# Altium PCB Archimajor.PcbDoc (part 5 of 12) (continued)
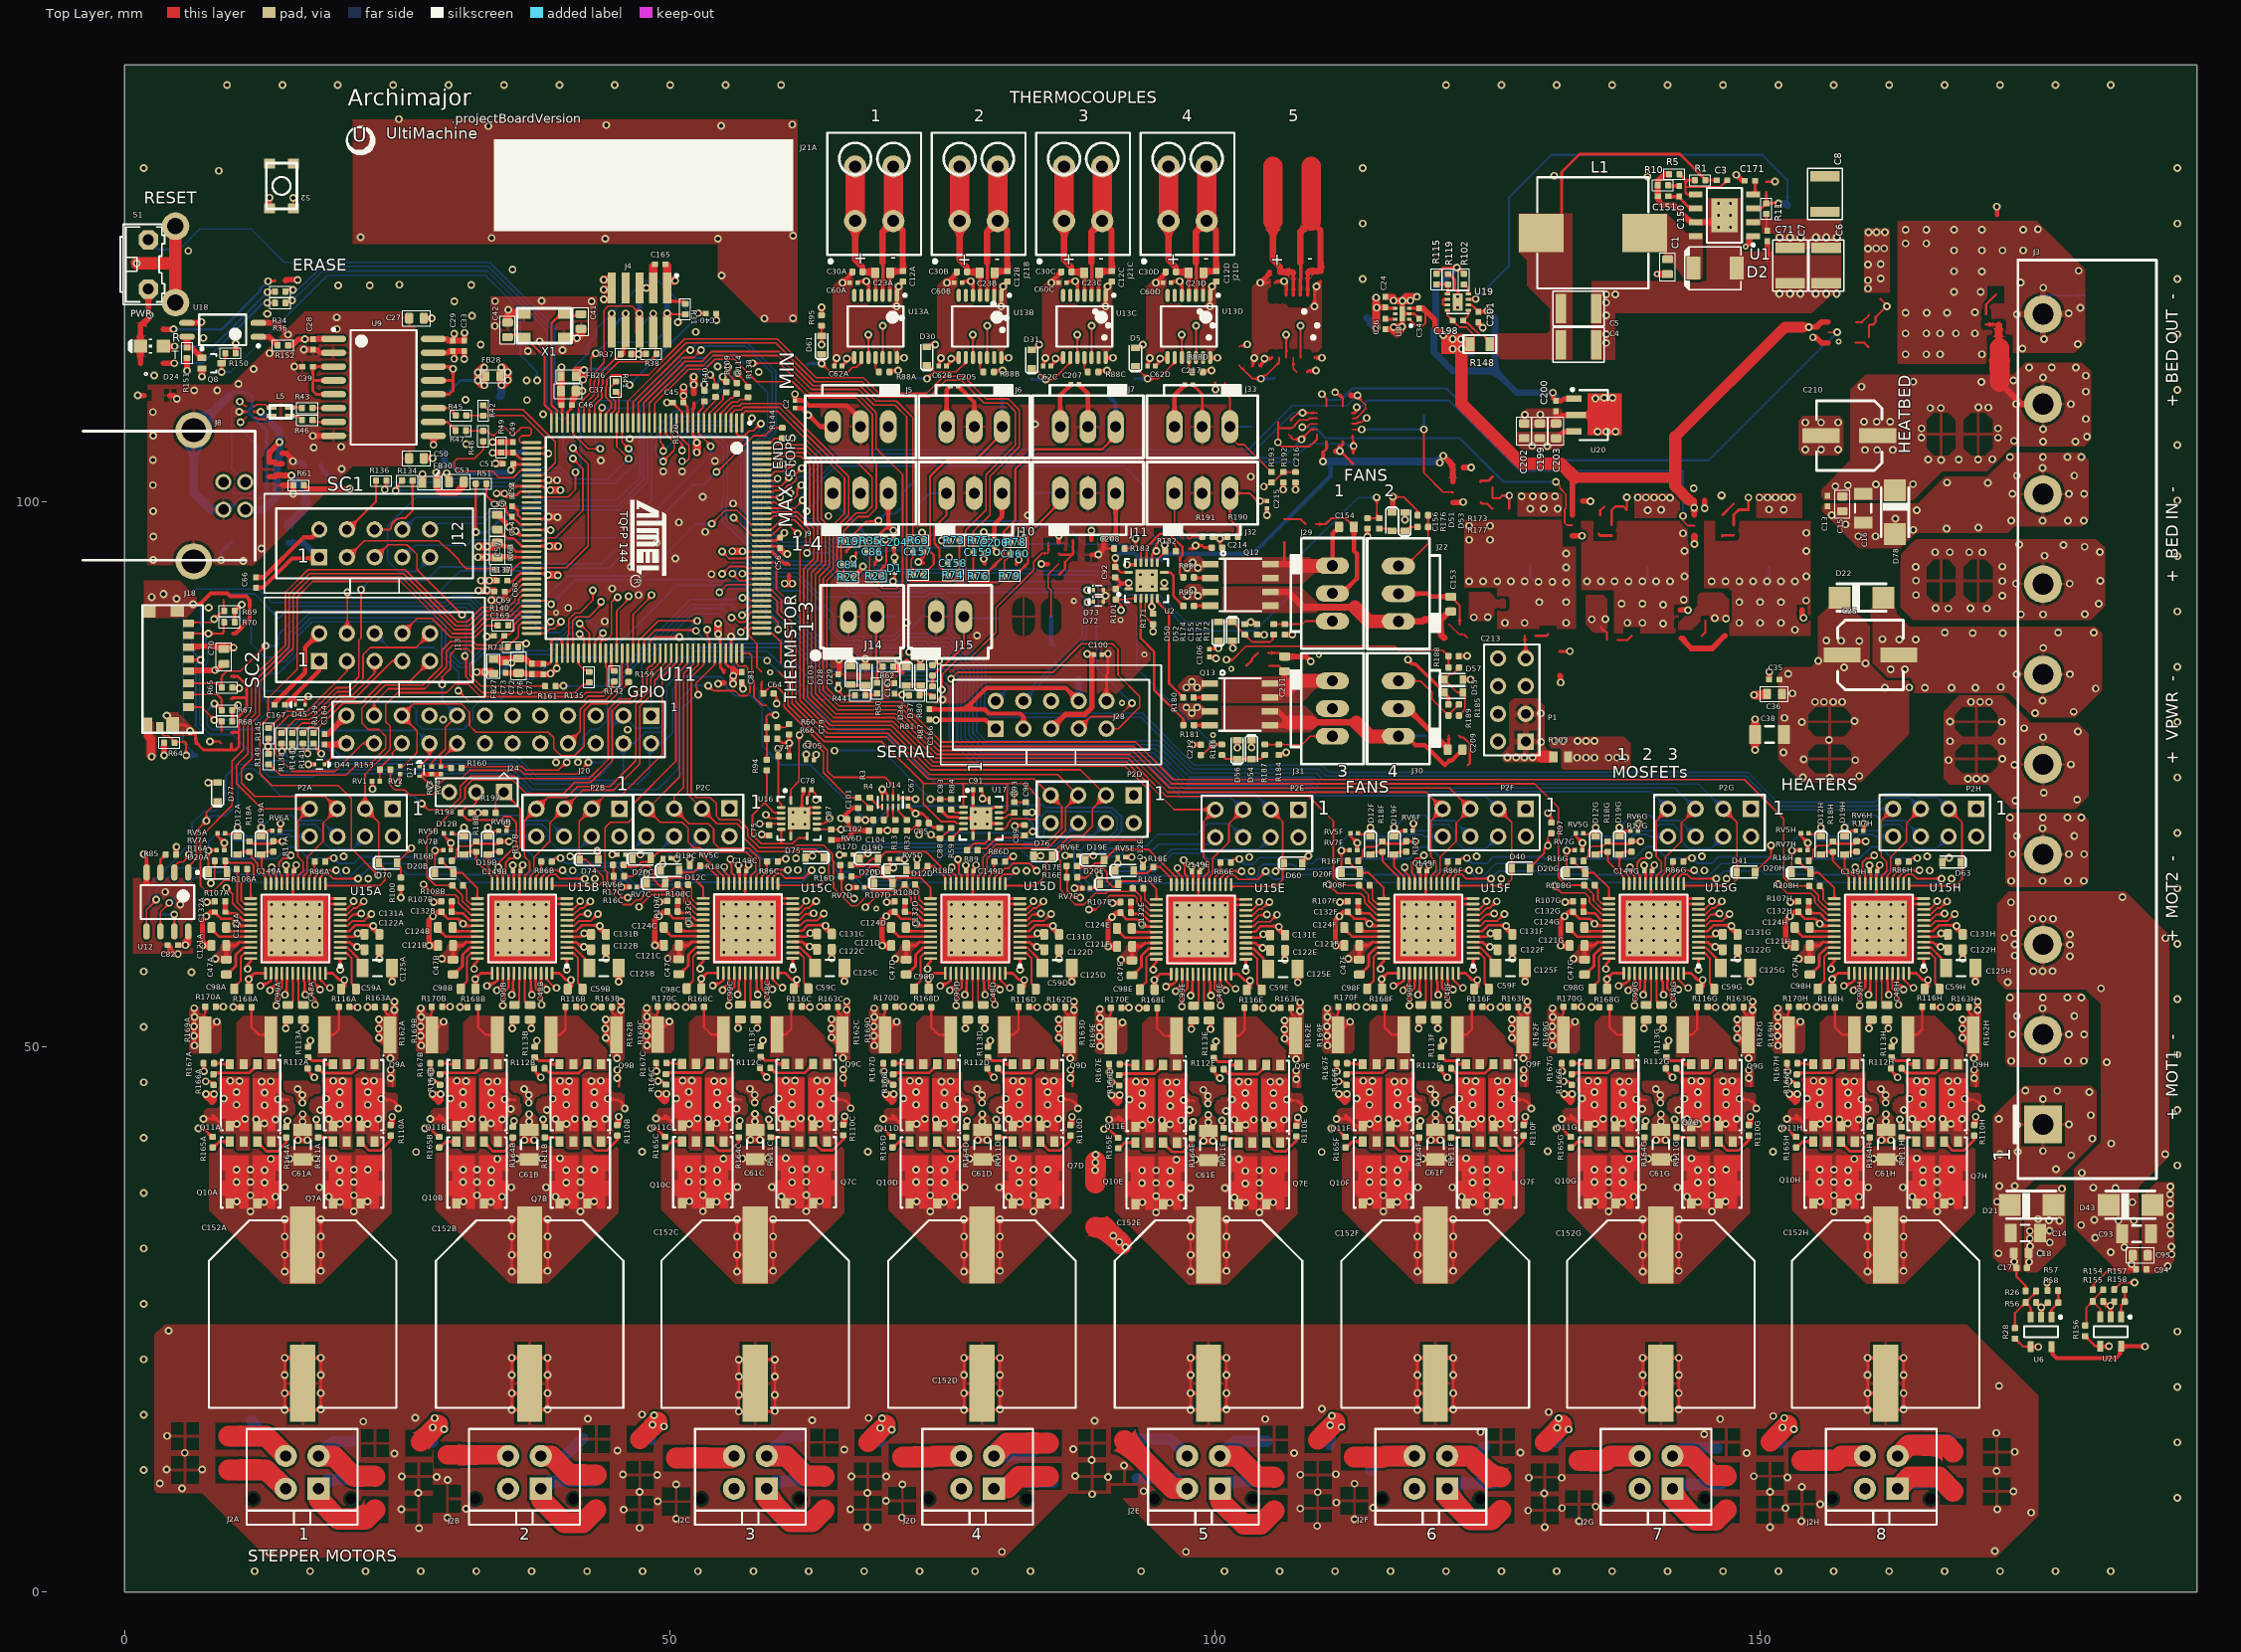
[diagram p0: Top Layer view]
## Nets (pads, with @x,y where several pads share a name; then routed paths per layer and width w, separated by ;. In a path a pad name is that pad's centre, name@x,y a point inside that pad or via, vN(x,y) a via of type N, cw(c..) or ccw(c..) an arc to the next point about the centre after c; other vN are vias at no path point) (continued)
  Top Layer w0.279: v1@35.865,97.308 35.878,97.308 36.298,96.888 ; v3@72.843,94.384 73.27,94.384
  Top Layer w0.292: v1(66.812,94.718) 66.812,94.831 67.064,95.084 67.064,95.305 67.068,95.309 ; C86.2@69.075,95.384 69.133,95.326 69.133,94.918 v3(69.191,94.861) ; C159.2@78.785,95.337 78.793,95.329 v3(78.793,94.734) 78.864,94.663 78.864,94.213 78.868,94.209 ; 81.743,94.159 81.747,94.163 81.747,94.3 81.993,94.546 v1(81.993,94.659) 82.073,94.74 82.073,95.102 82.177,95.206 C160.2@82.179,95.206
  Top Layer w0.305: v1(1.778,67.666) 1.778,67.556 2.032,67.301 U12.4@2.032,65.971 ; C54.2@35.629,99.607 36.093,99.143 ; v1@38.768,98.388 v1@38.892,98.512 ; v3@38.831,101.888 38.887,101.944 v3(38.887,101.956) ; v3(39.629,84.686) v3@39.629,84.753 ; 40.922,108.469 40.922,108.728 C46.2@41.046,108.852 ; RV5C.2@50.073,67.276 50.123,67.226 v1(50.648,67.226) ; v3(55.625,87.6) 55.735,87.6 v3@55.629,87.494 ; C56.2@59.968,96.678 C56.2@60.124,96.678 ; C92.1@90.843,93.034 90.868,93.034 90.995,92.907 90.995,92.882 91.389,92.488 91.399,92.488 ; R101.2@90.875,91.964 91.399,92.488 ; v1(91.928,94.2) U2.13@92.686,94.2 ; v1@92.068,92.488 91.399,92.488 ; v1(182.085,26.262) 182.095,26.252 182.095,25.231 U21.2@182.105,25.221
  Top Layer w0.356: C105.1@62.493,76.259 v1@62.493,76.759
  Top Layer w0.381: C84.2@66.812,94.349 v1(66.812,94.718)
  Top Layer w0.406: C66.1@12.04,93.046 12.769,93.046 16.408,96.686 17.221,96.686 J12.2@17.856,97.321 ; C167.1@13.75,81.486 16.577,84.313 16.577,86.618 J13.2@17.856,87.897 ; 27.35,74.96 27.376,74.986 RV3.2@28.172,74.986 RV4.2@28.997,74.986 ; J24.3@29.77,73.34 J24.3@29.77,73.352 ; C57.1@34.177,94.882 34.235,94.941 35.408,94.933 C63.2@35.433,94.933 ; v1(44.713,67.619) RV6C.2@45.213,67.619 ; C165.1@48.489,121.58 C165.1@48.65,121.741 ; v1(56.7,82.81) 56.7,83.07 v1@56.726,83.097 ; v1(58.419,69.463) 58.523,69.359 C75.2@59.118,69.359 ; v1(61.478,109.835) 61.478,109.259 C2.1@61.471,109.252 62.289,109.252 62.741,108.801 66.226,108.801 67.488,107.539 J5.2@67.488,106.846 ; C87.2@64.793,68.959 66.099,68.959 66.871,69.731 66.871,69.809 ; v1(65.555,67.595) RV6D.2@66.055,67.595 ; v1(65.842,120.052) 66.657,120.867 66.657,120.961 C30A.1@66.733,121.038 ; C101.1@67.268,71.88 66.73,71.88 65.71,70.86 66.268,70.86 C102.1@66.268,70.834 66.341,70.762 66.341,70.339 66.871,69.809 ; C104.1@68.268,69.809 66.871,69.809 ; 70.557,95.481 C204.1@70.557,95.881 ; RV5D.2@70.96,67.17 v1(71.523,67.17) ; C166.2@73.794,79.978 78.928,79.978 79.203,79.703 79.33,79.703 J28.1@79.877,79.156 ; v1(75.418,120.052) 76.233,120.867 76.233,120.961 C30B.1@76.309,121.038 ; C205.1@76.425,110.581 77.914,109.092 J6.2@77.914,106.846 ; C206.1@79.757,95.831 79.757,95.531 v1(79.957,95.331) ; v1(84.994,120.052) 85.052,120.111 85.052,120.205 85.783,120.936 85.808,120.936 85.885,121.012 C30C.1@85.885,121.038 ; v1(86.263,67.519) RV6E.2@86.763,67.519 ; C207.1@87.5,110.731 88.341,109.89 J7.2@88.341,106.846 ; 88.632,95.106 89.271,95.106 v1(89.3,95.135) 89.768,95.603 C208.1@89.768,96.61 ; RV5E.2@91.773,67.376 v1(92.348,67.376) ; v1(94.57,120.052) 95.384,120.867 95.384,120.961 C30D.1@95.46,121.038 ; v1(104.145,120.052) 104.96,120.867 104.96,120.961 105.036,121.038 ; v1(107.368,101.084) C216.2@107.368,101.734 ; 131.217,107.886 131.346,107.758 131.659,107.758 131.808,107.906 U20.2@133.092,107.906 ; v1(147.766,129.948) 148.269,129.445 148.494,129.445 C171.1@148.541,129.398 ; C35.2@150.798,83.665 150.798,84.362 v1(150.809,84.373)
  Top Layer w0.432: C55.1@34.188,98.814 34.865,98.136 34.865,98.124 35.111,97.879 35.123,97.879 v1@35.204,97.798
  Top Layer w0.457: v1@56.591,83.021 C81.2@56.591,83.402 ; 116.837,115.36 117.152,115.675 117.152,116.01 U8.7@117.152,117.205 v1@117.152,118.39 ; R155.1@181.417,26.64 181.417,26.614 181.77,26.262 v1@181.874,26.262 ; v1@182.085,26.264 182.113,26.264 182.438,26.589 R158.1@182.438,26.614
  Top Layer w0.483: v1(7.162,59.275) 7.143,59.295 7.143,61.581 v1(7.515,61.953) 7.887,62.325 C132A.1@8.287,62.325 ; v1(27.937,59.275) 27.918,59.295 27.918,61.581 v1(28.29,61.953) 28.662,62.325 C132B.1@29.062,62.325 ; v1(48.645,59.3) 48.626,59.319 48.626,61.605 v1(48.998,61.978) 49.37,62.35 C132C.1@49.77,62.35 ; v1(69.487,59.275) 69.468,59.295 69.468,61.581 v1(69.84,61.953) 70.212,62.325 C132D.1@70.612,62.325 ; v1(90.195,59.2) 90.176,59.219 90.176,61.505 v1(90.548,61.878) 90.92,62.25 C132E.1@91.32,62.25 ; v1(111.037,59.275) 111.018,59.295 111.018,61.581 v1(111.39,61.953) 111.762,62.325 C132F.1@112.162,62.325 ; v1(131.688,59.275) 131.668,59.295 131.668,61.581 v1(132.04,61.953) 132.413,62.325 C132G.1@132.813,62.325 ; v1(152.338,59.275) 152.318,59.295 152.318,61.581 v1(152.691,61.953) 153.063,62.325 C132H.1@153.463,62.325
  Top Layer w0.508: 1.465,112.682 D24.C@1.465,114.231 1.465,115.781 1.465,116.064 2.306,116.905 v1(2.306,117.077) 2.184,117.199 S1.2@2.184,119.47 ; C82.2@3.981,59.316 C82.2@3.974,59.316 3.991,59.316 4.199,59.108 4.199,58.877 4.545,58.531 4.861,58.531 v1(4.9,58.492) ; U18.3@5.729,116.361 6.973,116.361 v1(7.053,116.441) ; J18.6@5.89,86.626 5.971,86.707 C70.1@9.277,86.707 ; v3(7.102,111.44) Q8.2@7.102,112.164 ; R61.1@16.464,101.48 16.802,101.142 v3(20.638,101.142) ; C164.2@18.339,78.67 18.661,78.67 J20.23@20.345,80.354 ; v1(22.809,61.075) 22.835,61.05 22.835,60.833 C131A.1@23.367,60.3 ; v1@23.367,58.053 C122A.1@23.367,58.9 ; v1(24.537,55.969) C125A.1@24.537,57.2 ; C27.2@27.452,116.803 27.477,116.828 27.529,116.776 v1(28.162,116.776) ; C50.2@27.604,103.798 C50.2@27.452,103.95 v1(28.27,103.95) ; U9.9@28.324,106.008 28.336,105.996 v1(28.336,105.191) ; U9.15@28.324,113.628 29.645,113.628 29.8,113.782 C33.2@31.175,113.782 31.159,113.767 v3(31.159,113.049) ; v1(29.54,102.591) 29.529,102.591 29.72,102.399 C53.1@29.72,102 ; C29.2@30.124,113.78 30.11,113.766 30.224,113.651 30.237,113.639 30.235,113.637 v1(30.235,113.076) ; v1(33.757,105.423) R49.1@34.521,105.423 ; v3(34.12,100.724) 34.843,100.724 v1(34.852,100.716) 34.883,100.716 35.077,100.521 C52.2@35.364,100.521 ; R49.1@34.544,105.446 C49.2@35.588,105.446 ; C73.2@34.9,84.269 36.772,84.269 36.879,84.163 C76.2@37.372,84.163 38.413,84.163 C77.2@38.415,84.161 v3@38.964,84.161 ; v1@35.204,97.626 35.56,97.27 35.598,97.308 v1@35.865,97.308 ; v3(39.065,84.214) 39.091,84.214 v3@39.419,84.542 ; v3(39.629,84.686) 39.485,84.542 v3@39.419,84.542 ; v3@39.629,84.753 v3@39.419,84.542 ; C46.2@41.021,108.878 C46.2@41.046,108.852 41.046,109.243 ; C37.1@41.267,109.622 41.046,109.401 41.046,109.243 ; C37.1@41.281,110.296 41.281,109.477 41.046,109.243 ; v1(43.584,61.075) 43.61,61.05 43.61,60.833 C131B.1@44.142,60.3 ; v1@44.142,58.053 C122B.1@44.142,58.9 ; v1(45.312,55.969) C125B.1@45.312,57.2 ; v1(45.558,64.634) RV7C.2@46.283,64.634 ; v1(49.745,109.068) C45.2@50.267,109.068 ; C56.2@60.124,96.678 60.493,97.047 v1(60.493,97.109) ; v1(64.292,61.099) 64.317,61.074 64.317,60.858 C131C.1@64.85,60.325 ; v1(64.851,58.077) C122C.1@64.85,58.925 ; C103.2@65.432,84.155 C103.2@65.444,84.144 ; C103.2@65.444,84.144 65.518,84.22 v1(65.518,85.509) ; v1(66.02,55.993) C125C.1@66.02,57.225 ; v1(66.4,64.61) RV7D.2@67.125,64.61 ; D29.A@67.907,84.876 v3@67.907,85.515 ; v1(69.966,83.306) 69.972,83.3 C161.2@70.549,83.3 ; D37.A@72.962,84.81 v3@72.962,85.381 ; v1(85.134,61.075) 85.16,61.05 85.16,60.833 C131D.1@85.692,60.3 ; v1@85.692,58.053 C122D.1@85.692,58.9 ; v1(86.862,55.969) C125D.1@86.862,57.2 ; v1(87.108,64.534) RV7E.2@87.833,64.534 ; v1(105.842,60.999) 105.867,60.974 105.867,60.758 C131E.1@106.4,60.225 ; v1(106.401,57.977) C122E.1@106.4,58.825 ; v1(107.57,55.893) C125E.1@107.57,57.125 ; C26.2@115.592,115.792 116.252,115.792 v1@116.354,115.69 ; C24.2@115.617,118.764 116.319,118.764 v1@116.374,118.708 ; C201.1@124.129,116.429 124.129,116.32 v3(124.535,115.913) ; v1(126.684,61.075) 126.71,61.05 126.71,60.833 C131F.1@127.242,60.3 ; v1@127.242,58.053 C122F.1@127.242,58.9 ; v1(128.412,55.969) C125F.1@128.412,57.2 ; C203.2@131.249,107.142 131.249,107.661 ; R5.1@141.616,130.015 141.226,130.015 140.575,129.364 R10.1@140.575,128.974 140.576,128.973 140.576,127.694 140.957,127.17 142.046,127.17 143.62,125.596 U1.7@144.275,125.596 ; v1(147.334,61.075) 147.36,61.05 147.36,60.833 C131G.1@147.893,60.3 ; v1@147.893,58.053 C122G.1@147.893,58.9 ; v1(149.063,55.969) C125G.1@149.063,57.2 ; 150.605,122.248 C71.1@150.605,123.698 ; v1(167.985,61.075) 168.01,61.05 168.01,60.833 C131H.1@168.543,60.3 ; v1@168.543,58.053 C122H.1@168.543,58.9 ; v1(169.713,55.969) C125H.1@169.713,57.2
  Top Layer w0.559: v1(7.162,59.275) C121A.1@7.982,59.275 ; v1(27.937,59.275) C121B.1@28.757,59.275 ; v1(48.645,59.3) C121C.1@49.465,59.3 ; v1(69.487,59.275) C121D.1@70.307,59.275 ; v1(90.195,59.2) C121E.1@91.015,59.2 ; v1(111.037,59.275) C121F.1@111.857,59.275 ; v1(131.688,59.275) C121G.1@132.508,59.275 ; U1.7@144.069,125.596 146.694,125.596 U1.9@146.694,126.231 ; v1(152.338,59.275) C121H.1@153.158,59.275
  Top Layer w0.61: 2.032,65.016 U12.4@2.032,65.971 ; S1.3@4.674,125.235 S1.3@4.674,125.331 ; v1(38.887,98.591) 39.672,98.591 v1(39.7,98.563) ; J4.5@47.219,119.579 47.221,119.581 47.803,119.581 47.8,119.578 47.827,119.551 v1(47.85,119.576) v1(47.85,119.576) ; v1@47.805,119.579 J4.3@48.489,119.579 ; v1@116.374,118.39 v1@117.152,118.39 ; v1@117.167,118.39 117.949,118.39 117.949,118.693 118.02,118.764 v1(118.501,118.764) ; v1(149.501,77.201) 149.504,77.203 C38.1@149.504,78.627 v1(149.504,80.012)
  Top Layer w0.635: v1(33.181,94.882) C57.1@34.177,94.882 ; v1(33.223,91.834) v1@33.232,91.843 ; v1(33.452,92.736) 33.46,92.744 C68.2@34.048,92.744 ; v1(34.036,103.468) C51.2@34.609,103.468
  Top Layer w0.66: v1@32.473,91.811 C69.2@33.896,91.811 ; C37.1@41.388,110.097 41.417,110.126 v1(41.986,110.126) ; v1(41.478,114.96) 41.859,115.341 ; v1@43.973,118.501 J4.9@44.698,118.501 ; v1@116.354,115.69 116.354,116.021 v1(117.141,116.021)
  Top Layer w0.711: C70.1@9.006,86.589 v3(10,86.589) ; v1(32.409,94.881) 32.41,94.882 v1(33.181,94.882) ; v1(32.68,92.734) 32.681,92.736 v1(33.452,92.736) ; v1(43.948,118.526) v1@43.973,118.501 ; v1@116.354,115.69 116.684,115.36 ; v1(117.141,116.021) v1@117.152,116.01 ; v1@117.152,118.39 117.167,118.39 117.54,118.764 118.02,118.764
  Top Layer w0.762: J18.13@2.132,79.406 2.132,78.481 2.45,78.163 2.45,76.633 v1(2.489,76.594) ; C42.1@35.102,116.506 35.102,116.915 35.469,117.281 36.552,117.281 X1.4@36.63,117.203 ; X1.2@40.33,115.003 40.373,114.96 v1(41.478,114.96) ; 41.859,115.341 C41.1@41.859,115.725 ; v1(43.938,120.324) J4.9@44.65,120.324 ; v1(43.943,119.41) 44.537,119.41 J4.9@44.542,119.405 ; J4.3@48.489,119.579 C165.1@48.489,121.58 ; v3(149.424,82.242) 150.502,82.242 C36.2@150.601,82.341
  Top Layer w1.143: v1(1.143,121.832) 4.674,121.832 ; S1.4@4.674,118.225 4.674,121.832 ; S1.3@4.674,125.235 4.674,121.832
  Mid1 w0.229: v1@15.633,66.654 v1(15.746,66.654) ; v1@36.408,66.654 v1(36.521,66.654) ; v1@57.116,66.679 v1(57.228,66.679) ; v1@77.958,66.654 v1(78.071,66.654) ; v1@98.666,66.579 v1(98.778,66.579) ; v1@119.508,66.654 v1(119.621,66.654) ; v1@140.159,66.654 v1(140.271,66.654) ; v1@160.809,66.654 v1(160.921,66.654)
  Mid1 w0.254: v1(62.491,76.81) v1@62.491,76.986 ; v1(100.068,85.61) v1@100.068,85.659
  Mid1 w0.406: v1@58.32,69.463 v1(58.419,69.463)
  Bottom Layer w0.406: 18.037,103.331 18.037,103.067 18.418,102.686 18.418,102.669 19.945,101.142 v3(20.638,101.142)
  Bottom Layer w1.016: S1.4@4.928,118.225 S1.4@5.086,118.066
  other v1: 11.938,1.905 17.018,1.905 22.098,1.905 27.178,1.905 32.258,1.905 37.338,1.905 42.418,1.905 47.498,1.905 52.578,1.905 57.658,1.905 62.738,1.905 67.818,1.905 72.898,1.905 77.978,1.905 83.058,1.905 93.218,1.905 100.838,1.905 105.918,1.905 110.998,1.905 116.078,1.905 121.158,1.905 126.238,1.905 131.318,1.905 136.398,1.905 141.478,1.905 146.558,1.905 151.638,1.905 156.718,1.905 161.798,1.905 166.878,1.905 171.958,1.905 177.038,1.905 182.118,1.905 13.314,3.626 80.448,3.676 97.323,3.676 171.473,3.744 26.998,5.851 47.223,5.876 68.123,5.951 130.223,5.951 150.874,5.951 109.348,6.051 133.355,6.476 153.748,6.476 112.77,6.676 50.58,6.726 29.599,6.801 71.273,6.826 174.801,7.291 128.698,7.476 45.773,7.551 25.398,7.576 66.548,7.576 171.698,7.576 31.323,7.626 107.798,7.651 131.798,7.701 152.298,7.701 114.473,7.726 134.898,7.826 155.473,8.051 111.098,8.201 48.898,8.301 69.823,8.368 188.214,8.636 88.723,8.976 130.173,9.051 26.948,9.076 68.123,9.076 109.407,9.151 47.237,9.176 150.873,9.176 173.198,9.232 93.448,9.251 5.273,9.501 153.798,9.626 50.58,9.851 71.323,9.851 3.249,9.946 112.77,9.926 29.623,10.276 128.748,10.476 131.773,10.476 152.473,10.501 28.623,10.551 90.173,10.551 25.423,10.58 66.648,10.599 69.848,10.601 87.173,10.626 149.398,10.619 48.848,10.738 107.798,10.751 45.698,10.776 111.073,10.801 171.648,11.101 1.778,11.176 3.873,11.226 7.123,11.226 91.648,11.601 88.673,12.101 24.748,12.701 148.723,12.726 5.523,12.751 107.223,12.741 127.973,12.776 173.298,12.851 45.198,12.976 65.998,13.051 86.998,13.101 188.214,13.716 3.923,14.301 144.823,14.476 171.623,14.576 124.348,14.676 21.898,15.626 88.956,15.691 63.048,15.751 104.598,15.851 146.298,15.851 42.498,15.876 68.233,15.949 26.667,15.968 151.166,16.127 1.778,16.256 47.47,16.266 130.581,16.503 109.798,16.781 188.214,18.796 171.863,18.902 1.778,21.336 188.214,23.876 4.042,23.953 1.778,26.416 187.336,29.878 174.637,30.274 187.693,30.948 175.607,31.067 1.778,31.496 187.673,31.661 174.716,31.701 176.519,32.038 174.696,32.414 187.594,32.83 174.696,33.088 176.499,33.108 187.554,33.603 177.41,34.039 176.459,34.078 175.449,34.197 187.574,34.435 187.554,35.624 187.554,36.436 1.778,36.576 177.648,36.971 187.574,37.189 188.214,39.116 26.74,40.339 109.772,40.339 68.167,40.359 47.463,40.379 151.159,40.379 130.495,40.418 1.778,41.656 188.214,44.196 1.778,46.736 172.998,48.685 175.851,48.685 178.189,48.685 179.635,48.685 188.214,49.276 173.097,51.142 178.288,51.142 179.675,51.142 106.35,51.576 23.317,51.652 44.092,51.652 85.642,51.652 127.192,51.652 147.842,51.652 168.493,51.652 64.8,51.676 89.408,51.779 1.778,51.816 6.375,51.855 27.15,51.855 68.7,51.855 110.25,51.855 130.901,51.855 151.551,51.855 47.858,51.879 89.459,52.643 6.426,52.718 27.201,52.718 68.751,52.718 110.301,52.718 130.951,52.718 151.602,52.718 47.909,52.743 173.513,52.806 178.764,52.806 175.871,53.519 188.214,54.356 172.88,54.51 175.891,54.51 178.13,54.51 179.417,54.51 6.155,56.823 1.778,56.896 23.368,58.052 44.143,58.052 85.693,58.052 127.243,58.052 147.893,58.052 168.543,58.052 188.214,59.436 93.295,61.2 10.262,61.275 31.037,61.275 72.587,61.275 114.137,61.275 134.788,61.275 155.438,61.275 51.745,61.3 5.121,63.021 3.743,64.184 188.214,64.516 172.998,65.195 175.851,65.195 178.189,65.195 179.635,65.195 22.35,65.41 43.125,65.41 126.225,65.41 146.875,65.41 167.525,65.41 105.55,66.072 103.34,66.084 82.693,66.134 20.325,66.16 41.1,66.16 63.938,66.171 124.2,66.16 144.85,66.16 165.5,66.16 61.728,66.192 61.568,67.259 103.133,67.384 20.1,67.46 40.875,67.46 123.975,67.46 144.625,67.46 165.275,67.46 173.097,67.652 178.288,67.652 179.675,67.652 173.513,69.316 178.764,69.316 188.214,69.596 175.871,70.029 65.693,70.934 172.88,71.02 175.891,71.02 178.13,71.02 179.417,71.02 83.218,71.484 188.214,74.676 11.425,74.735 39.575,76.06 41.575,76.085 188.214,79.756 74.393,79.959 29.225,79.985 97.862,80.585 175.178,80.589 178.704,80.708 97.367,81.101 98.357,81.101 175.871,81.738 180.725,82.847 165.075,82.9 167.52,82.9 169.7,82.9 97.367,82.939 98.357,82.939 172.028,82.986 97.862,83.455 173.494,84.135 178.367,84.155 161.923,84.591 163.231,84.611 188.214,84.836 175.931,86.572 162.716,87.325 161.19,87.365 164.222,87.345 78.168,87.709 169.45,87.925 172.225,87.925 166.9,87.975 177.298,87.959 180.547,87.959 71.718,88.872 44.025,89.004 188.214,89.916 97.429,91.351 98.42,91.351 47.147,91.408 32.451,91.833 97.925,91.866 44.729,91.999 97.429,93.891 98.42,93.891 46.425,93.985 97.925,94.406 50.524,94.761 188.214,94.996 48.798,96.198 158.971,96.795 160.537,96.795 35.865,97.282 164.004,97.389 167.055,97.488 169.967,97.587 35.255,97.651 157.803,97.885 172.998,98.235 175.851,98.235 178.189,98.235 179.635,98.235 162.359,98.42 64.541,98.661 156.515,98.737 164.321,99.192 55.793,99.809 188.214,100.076 138.75,100.344 139.5,100.344 140.25,100.344 141,100.344 141.72,100.336 149.886,100.344 150.636,100.344 151.386,100.344 152.136,100.344 152.886,100.344 128.095,100.47 129.111,100.47 130.127,100.47 131.143,100.47 173.097,100.692 178.288,100.692 179.675,100.692 61.043,100.784 170.839,101.708 167.114,101.728 103.271,102.263 173.513,102.356 178.764,102.356 175.871,103.069 172.88,104.06 175.891,104.06 178.13,104.06 179.417,104.06 154.098,104.759 155.539,104.759 157.109,104.759 188.214,105.156 31.33,105.246 61.218,105.834 154.118,107.236 155.539,107.236 157.129,107.236 128.4,107.937 129.797,107.963 38.387,107.976 36.9,109.291 31.263,109.315 188.214,110.236 2.737,111.551 58.143,111.859 54.381,112.37 32.655,114.38 135.854,114.523 7.242,114.995 135.854,115.323 188.214,115.316 52.368,115.534 116.379,115.97 58.663,116.766 61.298,116.785 31.861,117.027 135.851,117.063 35.187,117.561 135.854,118.232 30.237,118.326 117.167,118.383 116.367,118.408 117.891,118.408 135.854,118.973 136.679,118.973 159.868,119.498 19.593,119.809 22.493,119.809 31.793,119.834 25.193,119.859 159.868,120.273 113.538,120.396 188.214,120.396 54.741,120.708 35.572,121.265 159.868,121.723 5.846,122.962 159.868,123.173 160.604,123.189 161.341,123.189 54.404,124.076 44.082,124.096 33.661,124.155 21.655,124.215 61.298,124.354 159.896,124.687 160.633,124.687 161.395,124.687 113.538,125.476 188.214,125.476 139.641,129.798 8.664,130.315 1.778,130.556 113.538,130.556 188.214,130.556 33.363,134.418 54.701,134.438 44.161,134.497 61.239,134.557 25.162,135.052 9.398,138.176 14.478,138.176 19.558,138.176 24.638,138.176 29.718,138.176 34.798,138.176 39.878,138.176 44.958,138.176 50.038,138.176 55.118,138.176 60.198,138.176 121.158,138.176 126.238,138.176 131.318,138.176 136.398,138.176 141.478,138.176 146.558,138.176 151.638,138.176 156.718,138.176 161.798,138.176 166.878,138.176 171.958,138.176 177.038,138.176 182.118,138.176
  other v2: 96.515,58.56 97.615,58.56 98.715,58.56 99.815,58.56 100.915,58.56 13.482,58.635 14.582,58.635 15.682,58.635 16.782,58.635 17.882,58.635 34.257,58.635 35.357,58.635 36.457,58.635 37.557,58.635 38.657,58.635 75.807,58.635 76.907,58.635 78.007,58.635 79.107,58.635 80.207,58.635 117.357,58.635 118.457,58.635 119.557,58.635 120.657,58.635 121.757,58.635 138.008,58.635 139.108,58.635 140.208,58.635 141.308,58.635 142.408,58.635 158.658,58.635 159.758,58.635 160.858,58.635 161.958,58.635 163.058,58.635 54.965,58.66 56.065,58.66 57.165,58.66 58.265,58.66 59.365,58.66 96.515,59.66 97.615,59.66 98.715,59.66 99.815,59.66 100.915,59.66 13.482,59.735 14.582,59.735 15.682,59.735 16.782,59.735 17.882,59.735 34.257,59.735 35.357,59.735 36.457,59.735 37.557,59.735 38.657,59.735 75.807,59.735 76.907,59.735 78.007,59.735 79.107,59.735 80.207,59.735 117.357,59.735 118.457,59.735 119.557,59.735 120.657,59.735 121.757,59.735 138.008,59.735 139.108,59.735 140.208,59.735 141.308,59.735 142.408,59.735 158.658,59.735 159.758,59.735 160.858,59.735 161.958,59.735 163.058,59.735 54.965,59.76 56.065,59.76 57.165,59.76 58.265,59.76 59.365,59.76 96.515,60.76 97.615,60.76 99.815,60.76 100.915,60.76 13.482,60.835 14.582,60.835 16.782,60.835 17.882,60.835 34.257,60.835 35.357,60.835 37.557,60.835 38.657,60.835 75.807,60.835 76.907,60.835 79.107,60.835 80.207,60.835 117.357,60.835 118.457,60.835 120.657,60.835 121.757,60.835 138.008,60.835 139.108,60.835 141.308,60.835 142.408,60.835 158.658,60.835 159.758,60.835 161.958,60.835 163.058,60.835 54.965,60.86 56.065,60.86 58.265,60.86 59.365,60.86 96.515,61.86 97.615,61.86 98.715,61.86 99.815,61.86 100.915,61.86 13.482,61.935 14.582,61.935 15.682,61.935 17.882,61.935 34.257,61.935 35.357,61.935 36.457,61.935 37.557,61.935 38.657,61.935 75.807,61.935 76.907,61.935 78.007,61.935 79.107,61.935 80.207,61.935 117.357,61.935 118.457,61.935 119.557,61.935 120.657,61.935 121.757,61.935 138.008,61.935 139.108,61.935 140.208,61.935 141.308,61.935 142.408,61.935 158.658,61.935 159.758,61.935 160.858,61.935 161.958,61.935 163.058,61.935 54.965,61.96 56.065,61.96 57.165,61.96 58.265,61.96 59.365,61.96 96.515,62.96 97.615,62.96 98.715,62.96 99.815,62.96 13.482,63.035 14.582,63.035 15.682,63.035 16.782,63.035 34.257,63.035 35.357,63.035 36.457,63.035 37.557,63.035 75.807,63.035 76.907,63.035 78.007,63.035 79.107,63.035 117.357,63.035 118.457,63.035 119.557,63.035 120.657,63.035 138.008,63.035 139.108,63.035 140.208,63.035 141.308,63.035 158.658,63.035 159.758,63.035 160.858,63.035 161.958,63.035 54.965,63.06 56.065,63.06 57.165,63.06 58.265,63.06 61.293,70.384 62.393,70.384 78,70.41 79.1,70.41 61.293,71.484 62.393,71.484 79.1,71.51 122.249,117.775 122.249,118.775 146.144,125.131 147.244,125.131 146.144,126.231 147.244,126.231 146.144,127.331 147.244,127.331
  other v3: 25.05,74.185 46.128,79.065 72.962,85.531 67.941,85.56 40.683,90.232 89.942,91.335 53.825,93.335 75.618,94.859 53.243,97.209 50.831,98.07 53.031,100.429 143.868,101.185 39.649,101.944 49.387,102.751 51.13,102.743 54.143,103.709 43.663,103.747 46.304,105.74 136.717,106.381 57.531,107.62 136.442,109.506 36.887,111.076 36.987,113.776 40.174,113.869 38.062,114.676 33.971,116.075 50.743,116.434 42.83,118.336 33.989,118.355 38.235,118.389 131.093,129.848
  other v4: 6.02,78.957 3.886,80.366 74.993,81.809 4.775,91.081 2.489,91.225 3.575,91.506 82.832,98.731 135.067,106.381 135.892,106.406 83.457,107.081 134.867,109.431 135.667,109.481
  other v5: 7.722,90.246 146.426,100.544 13.1,117.201 151.729,119.048 152.704,119.048 153.654,119.048 155.054,119.048 156.029,119.048 156.979,119.048
  other v6: 68.925,62.65 99.793,78.575 91.45,81.525 59.2,84.325 101.475,84.65 109.5,85.925 93.5,85.95 91.325,89.125 39.575,89.8 87.05,90.872 157.175,114.65
HA1A: R164A.1 U15A.41 | length 14.5
  Top Layer w0.229: v1@14.864,55.027 14.864,56.002 14.932,56.07 U15A.41@14.932,56.735
  Top Layer w0.254: R164A.1@14.891,42.635 14.935,42.679 v1(14.935,43.193)
  Mid1 w0.254: v1(14.723,54.759) 14.723,54.165 15.049,53.839 15.24,53.648 15.24,52.154 15.443,51.951 15.443,51.403 15.215,51.175 15.215,44.635 15.291,44.559 15.291,44.012 14.935,43.656 v1(14.935,43.193)
HA1B: R164B.1 U15B.41 | length 14.5
  Top Layer w0.229: v1@35.639,55.027 35.639,56.002 35.707,56.07 U15B.41@35.707,56.735
  Top Layer w0.254: R164B.1@35.666,42.635 35.71,42.679 v1(35.71,43.193)
  Mid1 w0.254: v1(35.498,54.759) 35.498,54.165 35.824,53.839 36.015,53.648 36.015,52.154 36.218,51.951 36.218,51.403 35.99,51.175 35.99,44.635 36.066,44.559 36.066,44.012 35.71,43.656 v1(35.71,43.193)
HA1C: R164C.1 U15C.41 | length 14.5
  Top Layer w0.229: v1@56.347,55.052 56.347,56.027 56.415,56.095 U15C.41@56.415,56.76
  Top Layer w0.254: R164C.1@56.374,42.659 56.418,42.703 v1(56.418,43.218)
  Mid1 w0.254: v1(56.206,54.784) 56.206,54.189 56.532,53.863 56.723,53.672 56.723,52.178 56.926,51.975 56.926,51.428 56.697,51.199 56.697,44.66 56.774,44.584 56.774,44.036 56.418,43.681 v1(56.418,43.218)
HA1D: R164D.1 U15D.41 | length 14.5
  Top Layer w0.229: v1@77.189,55.027 77.189,56.002 77.257,56.07 U15D.41@77.257,56.735
  Top Layer w0.254: R164D.1@77.216,42.635 77.26,42.679 v1(77.26,43.193)
  Mid1 w0.254: v1(77.048,54.759) 77.048,54.165 77.374,53.839 77.565,53.648 77.565,52.154 77.768,51.951 77.768,51.403 77.54,51.175 77.54,44.635 77.616,44.559 77.616,44.012 77.26,43.656 v1(77.26,43.193)
HA1E: R164E.1 U15E.41 | length 14.5
  Top Layer w0.229: v1@97.897,54.952 97.897,55.927 97.965,55.995 U15E.41@97.965,56.66
  Top Layer w0.254: R164E.1@97.924,42.559 97.968,42.603 v1(97.968,43.118)
  Mid1 w0.254: v1(97.756,54.684) 97.756,54.089 98.082,53.763 98.273,53.572 98.273,52.078 98.476,51.875 98.476,51.328 98.247,51.099 98.247,44.56 98.324,44.484 98.324,43.936 97.968,43.581 v1(97.968,43.118)
HA1F: R164F.1 U15F.41 | length 14.5
  Top Layer w0.229: v1@118.739,55.027 118.739,56.002 118.807,56.07 U15F.41@118.807,56.735
  Top Layer w0.254: R164F.1@118.766,42.635 118.81,42.679 v1(118.81,43.193)
  Mid1 w0.254: v1(118.598,54.759) 118.598,54.165 118.924,53.839 119.115,53.648 119.115,52.154 119.318,51.951 119.318,51.403 119.09,51.175 119.09,44.635 119.166,44.559 119.166,44.012 118.81,43.656 v1(118.81,43.193)